# KiCad board hscalla.kicad_pcb (continued)
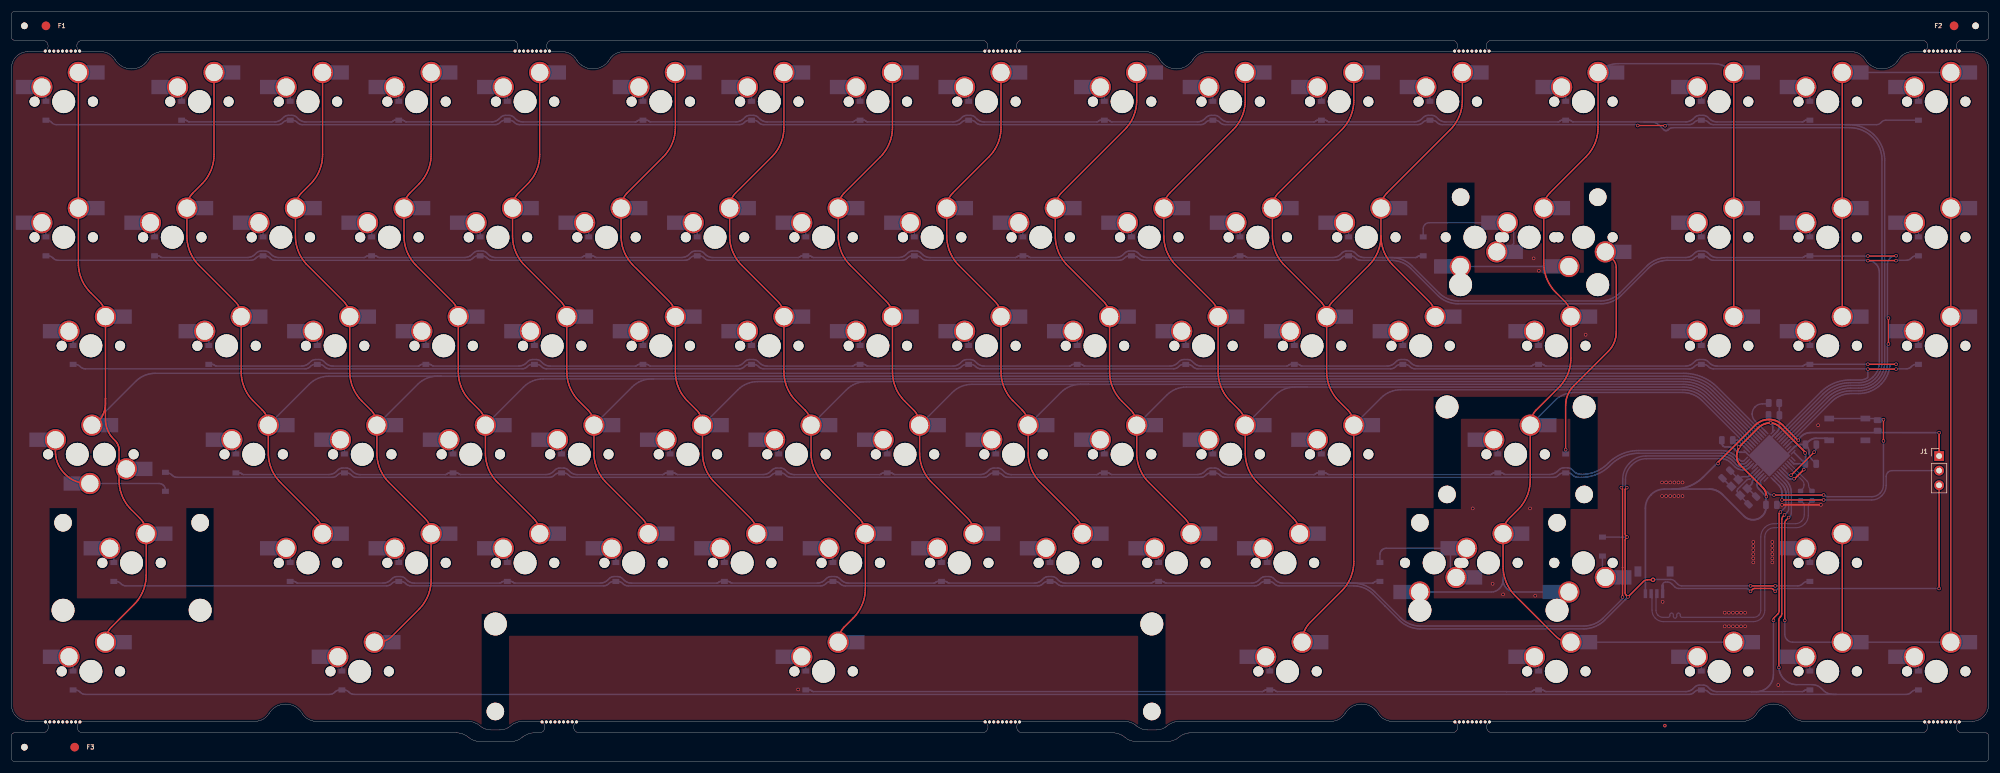
[diagram p0: board, top side]
## Routing (per net, layer and track width the routed paths; a pad name or vN(x,y) marks a point on that pad's centre or on a via; arc(x,y) is an arc through that point) (continued)
row6: length 275.7
  Bottom w0.25: 208.83,50.27 208.59,50.24 208.36,50.17 208.15,50.06 207.97,49.91 207.9,49.84 207.72,49.69 207.51,49.58 207.29,49.51 207.05,49.49 173.5,49.49 173.27,49.51 173.04,49.58 172.83,49.69 172.65,49.84 172.58,49.91 172.4,50.06 172.19,50.17 171.96,50.24 171.73,50.27 ; 209.53,50.27 209.76,50.24 209.99,50.17 210.2,50.06 210.38,49.91 210.45,49.84 210.63,49.69 210.84,49.58 211.07,49.51 211.3,49.49 268.48,49.49 268.71,49.51 268.94,49.58 269.15,49.69 269.33,49.84 269.4,49.91 269.58,50.06 269.79,50.17 270.02,50.24 270.25,50.27 ; 270.95,50.27 271.19,50.24 271.41,50.17 271.62,50.06 271.8,49.91 271.87,49.84 272.05,49.69 272.26,49.58 272.49,49.51 272.73,49.49 273.36,49.49 273.7,49.5 274.05,49.52 274.39,49.57 274.73,49.63 275.06,49.7 275.39,49.79 275.72,49.9 276.04,50.02 276.35,50.16 276.66,50.32 276.96,50.49 277.25,50.67 277.53,50.87 277.8,51.08 278.06,51.3 278.31,51.54 278.41,51.64 278.66,51.88 278.92,52.1 279.19,52.31 279.47,52.51 279.76,52.69 280.06,52.86 280.37,53.02 280.68,53.16 281,53.28 281.33,53.39 281.66,53.48 281.99,53.55 282.33,53.61 282.67,53.66 283.02,53.68 283.36,53.69 297.73,53.69 298.03,53.67 298.34,53.63 298.64,53.55 298.93,53.45 299.21,53.32 299.47,53.16 299.72,52.98 299.95,52.77 300.63,52.08 300.78,51.96 300.95,51.87 301.13,51.82 301.32,51.8 301.38,51.8 301.57,51.82 301.75,51.87 301.91,51.96 302.06,52.08 U1.21 ; 27.06,50.27 27.3,50.24 27.52,50.17 27.73,50.06 27.92,49.91 27.98,49.84 28.17,49.69 28.38,49.58 28.6,49.51 28.84,49.49 55.85,49.49 56.09,49.51 56.31,49.58 56.52,49.69 56.7,49.84 56.77,49.91 56.95,50.06 57.16,50.17 57.39,50.24 57.63,50.27 ; 171.03,50.27 170.79,50.24 170.56,50.17 170.35,50.06 170.17,49.91 170.1,49.84 169.92,49.69 169.71,49.58 169.49,49.51 169.25,49.49 135.7,49.49 135.47,49.51 135.24,49.58 135.03,49.69 134.85,49.84 134.78,49.91 134.6,50.06 134.39,50.17 134.16,50.24 133.93,50.27 ; 133.23,50.27 132.99,50.24 132.76,50.17 132.55,50.06 132.37,49.91 132.3,49.84 132.12,49.69 131.91,49.58 131.69,49.51 131.45,49.49 97.9,49.49 97.67,49.51 97.44,49.58 97.23,49.69 97.05,49.84 96.98,49.91 96.8,50.06 96.59,50.17 96.36,50.24 96.13,50.27 ; 95.43,50.27 95.19,50.24 94.96,50.17 94.75,50.06 94.57,49.91 94.5,49.84 94.32,49.69 94.11,49.58 93.89,49.51 93.65,49.49 60.1,49.49 59.87,49.51 59.64,49.58 59.43,49.69 59.25,49.84 59.18,49.91 59,50.06 58.79,50.17 58.56,50.24 58.33,50.27
row7: length 269.3
  Bottom w0.25: D54.1 39.73,50.27 39.82,50.26 39.91,50.23 39.99,50.18 40.07,50.12 40.07,50.12 40.15,50.06 40.23,50.01 40.32,49.98 40.42,49.97 55.23,49.97 55.42,49.98 55.61,50.01 55.8,50.06 55.97,50.12 56.15,50.2 56.31,50.3 56.46,50.41 56.6,50.54 56.82,50.76 57,50.91 57.21,51.02 57.44,51.09 57.67,51.11 58.28,51.11 58.52,51.09 58.74,51.02 58.95,50.91 59.13,50.76 59.36,50.53 59.5,50.4 59.65,50.29 59.82,50.19 59.99,50.11 60.16,50.05 60.35,50 60.54,49.97 60.73,49.97 75.53,49.97 75.62,49.97 75.71,50 75.79,50.05 75.87,50.11 75.88,50.12 75.96,50.18 76.04,50.23 76.13,50.26 76.23,50.27 D56.1 77.53,50.27 77.62,50.26 77.71,50.23 77.79,50.18 77.87,50.12 77.87,50.12 77.95,50.06 78.03,50.01 78.12,49.98 78.22,49.97 93.03,49.97 93.22,49.98 93.41,50.01 93.6,50.06 93.77,50.12 93.95,50.2 94.11,50.3 94.26,50.41 94.4,50.54 94.62,50.76 94.8,50.91 95.01,51.02 95.24,51.09 95.47,51.11 96.08,51.11 96.32,51.09 96.54,51.02 96.75,50.91 96.93,50.76 97.16,50.53 97.3,50.4 97.45,50.29 97.62,50.19 97.79,50.11 97.96,50.05 98.15,50 98.34,49.97 98.53,49.97 113.33,49.97 113.42,49.97 113.51,50 113.59,50.05 113.67,50.11 113.68,50.12 113.76,50.18 113.84,50.23 113.93,50.26 114.03,50.27 D58.1 115.33,50.27 115.42,50.26 115.51,50.23 115.59,50.18 115.67,50.12 115.67,50.12 115.75,50.06 115.83,50.01 115.92,49.98 116.02,49.97 130.84,49.97 131.02,49.98 131.21,50.01 131.4,50.06 131.57,50.12 131.75,50.2 131.91,50.3 132.06,50.41 132.2,50.54 132.42,50.76 132.6,50.91 132.81,51.02 133.04,51.09 133.27,51.11 133.88,51.11 134.12,51.09 134.34,51.02 134.55,50.91 134.73,50.76 134.96,50.53 135.1,50.4 135.25,50.29 135.42,50.19 135.59,50.11 135.76,50.05 135.95,50 136.14,49.97 136.33,49.97 151.13,49.97 151.22,49.97 151.31,50 151.39,50.05 151.47,50.11 151.48,50.12 151.56,50.18 151.64,50.23 151.73,50.26 151.83,50.27 D60.1 153.13,50.27 153.22,50.26 153.31,50.23 153.39,50.18 153.47,50.12 153.47,50.12 153.55,50.06 153.63,50.01 153.72,49.98 153.82,49.97 168.63,49.97 168.82,49.98 169.01,50.01 169.2,50.06 169.37,50.12 169.55,50.2 169.71,50.3 169.86,50.41 170,50.54 170.22,50.76 170.4,50.91 170.61,51.02 170.84,51.09 171.07,51.11 171.68,51.11 171.92,51.09 172.14,51.02 172.35,50.91 172.53,50.76 172.76,50.53 172.9,50.4 173.05,50.29 173.22,50.19 173.39,50.11 173.56,50.05 173.75,50 173.94,49.97 174.13,49.97 188.93,49.97 189.02,49.97 189.11,50 189.19,50.05 189.27,50.11 189.28,50.12 189.36,50.18 189.44,50.23 189.53,50.26 189.63,50.27 D62.1 190.93,50.27 191.02,50.26 191.11,50.23 191.19,50.18 191.27,50.12 191.27,50.12 191.35,50.06 191.43,50.01 191.52,49.98 191.62,49.97 206.44,49.97 206.62,49.98 206.81,50.01 207,50.06 207.17,50.12 207.35,50.2 207.51,50.3 207.66,50.41 207.8,50.54 208.02,50.76 208.2,50.91 208.41,51.02 208.64,51.09 208.87,51.11 209.48,51.11 209.72,51.09 209.94,51.02 210.15,50.91 210.33,50.76 210.56,50.53 210.7,50.4 210.85,50.29 211.02,50.19 211.19,50.11 211.36,50.05 211.55,50 211.74,49.97 211.93,49.97 226.73,49.97 226.82,49.97 226.91,50 226.99,50.05 227.07,50.11 227.08,50.12 227.16,50.18 227.24,50.23 227.33,50.26 227.43,50.27 D64.1 228.73,50.27 228.82,50.26 228.91,50.23 228.99,50.18 229.07,50.12 229.07,50.12 229.15,50.06 229.23,50.01 229.32,49.98 229.42,49.97 ; 273.36,50 273.68,50.01 274,50.03 274.32,50.07 274.63,50.13 274.95,50.2 275.25,50.28 275.56,50.38 275.86,50.5 276.15,50.63 276.44,50.77 276.71,50.93 276.98,51.1 277.25,51.29 277.5,51.48 277.74,51.69 277.97,51.91 278.03,51.97 278.29,52.22 278.57,52.46 278.86,52.69 279.16,52.9 279.47,53.1 279.79,53.28 280.12,53.44 280.46,53.59 280.8,53.72 281.15,53.84 281.5,53.94 281.86,54.02 282.22,54.08 282.59,54.13 282.95,54.15 283.32,54.16 297.77,54.16 298.11,54.14 298.45,54.09 298.78,54.01 299.1,53.9 299.42,53.75 299.71,53.57 299.99,53.37 300.24,53.14 300.79,52.59 300.95,52.45 301.14,52.35 301.34,52.29 301.61,52.32 ; 273.35,50.01 273.16,50.01 272.97,50.04 272.79,50.09 272.61,50.15 272.44,50.23 272.28,50.33 272.13,50.44 271.98,50.57 271.76,50.8 271.58,50.95 271.37,51.06 271.14,51.13 270.91,51.15 270.3,51.15 270.06,51.13 269.83,51.06 269.63,50.95 269.44,50.8 269.23,50.58 269.09,50.45 268.93,50.34 268.77,50.24 268.6,50.16 268.42,50.1 268.24,50.05 267.83,49.99 ; 267.83,49.98 260.03,49.98 259.94,50.01 259.86,50.06 259.79,50.12 259.78,50.12 259.71,50.18 259.62,50.23 259.53,50.26 259.44,50.27 D65.1 258.14,50.27 258.04,50.26 257.95,50.23 257.87,50.18 257.8,50.12 257.78,50.11 257.71,50.05 257.62,50 257.53,49.97 257.44,49.97 229.4,49.97
row8: length 351.2
  Top w0.25: v2(281.25,47.7) 280.95,47.4 280.95,39.63 arc(280.99,39.44) 281.1,39.28 v2(281.29,39.08) 281.27,39.08 281.1,38.91 arc(280.99,38.75) 280.95,38.56 280.95,29.37 arc(280.99,29.18) 281.1,29.02 v2(281.45,28.66) 284.14,31.35 arc(284.46,31.57) 284.84,31.65 v3(285.81,31.65) ; v2(307.08,30.59) v2(302.79,30.59)
  Bottom w0.25: 218.28,31.37 218.04,31.34 217.81,31.27 217.6,31.16 217.42,31.01 217.35,30.94 217.17,30.79 216.96,30.68 216.74,30.61 216.5,30.59 182.95,30.59 182.72,30.61 182.49,30.68 182.28,30.79 182.1,30.94 182.03,31.01 181.85,31.16 181.64,31.27 181.41,31.34 181.18,31.37 ; 143.38,31.37 143.61,31.34 143.84,31.27 144.05,31.16 144.23,31.01 144.3,30.94 144.48,30.79 144.69,30.68 144.92,30.61 145.15,30.59 178.7,30.59 178.94,30.61 179.16,30.68 179.37,30.79 179.55,30.94 179.62,31.01 179.8,31.16 180.01,31.27 180.24,31.34 180.48,31.37 ; v3(285.81,31.65) 285.87,31.71 288.88,31.71 arc(289.26,31.63) 289.59,31.41 290.11,30.88 arc(290.44,30.67) 290.82,30.59 v2(302.79,30.59) ; 280.86,28.07 281.22,28.44 ; 280.86,28.07 v2(281.45,28.66) ; 280.86,28.07 277.44,24.66 277.25,24.48 277.05,24.31 276.85,24.15 276.63,24 276.41,23.86 276.19,23.73 275.95,23.61 275.72,23.5 275.47,23.41 275.22,23.33 274.97,23.26 274.72,23.2 274.46,23.16 274.2,23.13 273.94,23.11 273.68,23.1 245.35,23.1 245.09,23.11 244.83,23.13 244.57,23.16 244.31,23.2 244.06,23.26 243.81,23.33 243.56,23.41 243.31,23.5 243.08,23.61 242.84,23.73 242.62,23.86 242.4,24 242.18,24.15 241.98,24.31 241.78,24.48 241.59,24.66 239.18,27.07 239.21,27.04 237.07,29.18 236.9,29.34 236.72,29.49 236.53,29.64 236.34,29.78 236.14,29.9 235.93,30.02 235.72,30.13 235.5,30.22 235.28,30.31 235.06,30.38 234.83,30.45 234.6,30.5 234.37,30.54 234.13,30.57 233.89,30.58 233.66,30.59 220.75,30.59 220.52,30.61 220.29,30.68 220.08,30.79 219.9,30.94 219.83,31.01 219.65,31.16 219.44,31.27 219.21,31.34 218.98,31.37 ; D79.1 v2(281.29,39.08) ; v2(281.25,47.7) 281.01,47.94 281.01,49.09 arc(281.28,50.43) 282.04,51.57 282.19,51.72 arc(283.33,52.48) 284.66,52.74 297.65,52.74 297.88,52.73 298.12,52.7 298.35,52.64 298.57,52.56 298.79,52.46 298.99,52.34 299.18,52.2 299.36,52.04 300.03,51.36 300.17,51.24 300.32,51.12 300.48,51.03 300.65,50.95 300.83,50.88 301.02,50.84 301.2,50.81 301.39,50.8 301.49,50.8 301.66,50.81 301.82,50.83 301.98,50.87 302.14,50.93 302.29,51 302.43,51.08 302.56,51.18 302.69,51.29 U1.19 302.81,51.42 ; 104.88,31.37 104.64,31.34 104.41,31.27 104.2,31.16 104.02,31.01 103.95,30.94 103.77,30.79 103.56,30.68 103.34,30.61 103.1,30.59 69.55,30.59 69.32,30.61 69.09,30.68 68.88,30.79 68.7,30.94 68.63,31.01 68.45,31.16 68.24,31.27 68.01,31.34 67.78,31.37 ; 105.58,31.37 105.81,31.34 106.04,31.27 106.25,31.16 106.43,31.01 106.5,30.94 106.68,30.79 106.89,30.68 107.12,30.61 107.35,30.59 140.9,30.59 141.14,30.61 141.36,30.68 141.57,30.79 141.75,30.94 141.82,31.01 142,31.16 142.21,31.27 142.44,31.34 142.68,31.37 ; 312.78,31.37 312.54,31.34 312.31,31.27 312.1,31.16 311.92,31.01 311.85,30.94 311.67,30.79 311.46,30.68 311.24,30.61 311,30.59 v2(307.08,30.59) ; 18.16,31.37 18.4,31.34 18.63,31.27 18.83,31.16 19.02,31.01 19.08,30.94 19.27,30.79 19.48,30.68 19.7,30.61 19.94,30.59 65.3,30.59 65.54,30.61 65.76,30.68 65.97,30.79 66.15,30.94 66.22,31.01 66.4,31.16 66.61,31.27 66.84,31.34 67.08,31.37
row9: length 292.4
  Top w0.25: v2(280.5,28.64) 280.5,33.79 280.5,33.79 280.5,47.5 v2(280.3,47.7)
  Bottom w0.25: D78.1 237.61,31.37 237.52,31.36 237.43,31.33 237.34,31.28 237.27,31.22 237.25,31.21 237.18,31.15 237.1,31.1 237.01,31.07 237,31.07 232.68,31.07 ; 232.68,31.07 221.38,31.07 221.19,31.07 221,31.1 220.81,31.15 220.64,31.21 220.47,31.29 220.3,31.39 220.15,31.5 220.01,31.63 219.78,31.86 219.6,32.01 219.39,32.12 219.17,32.19 218.93,32.21 218.32,32.21 218.09,32.19 217.86,32.12 217.65,32.01 217.47,31.86 217.25,31.64 217.11,31.51 216.96,31.4 216.8,31.3 216.62,31.22 216.45,31.16 216.26,31.11 216.07,31.08 215.88,31.08 201.07,31.08 200.97,31.08 200.88,31.11 200.8,31.16 200.72,31.22 200.72,31.22 200.64,31.28 200.56,31.33 200.47,31.36 200.38,31.37 D76.1 199.08,31.37 198.98,31.36 198.89,31.33 198.81,31.28 198.73,31.22 198.72,31.21 198.64,31.15 198.56,31.1 198.47,31.07 198.38,31.07 183.58,31.07 183.39,31.07 183.2,31.1 183.01,31.15 182.84,31.21 182.67,31.29 182.5,31.39 182.35,31.5 182.21,31.63 181.98,31.86 181.8,32.01 181.59,32.12 181.37,32.19 181.13,32.21 180.52,32.21 180.29,32.19 180.06,32.12 179.85,32.01 179.67,31.86 179.45,31.64 179.31,31.51 179.16,31.4 179,31.3 178.82,31.22 178.65,31.16 178.46,31.11 178.27,31.08 178.09,31.08 163.27,31.08 163.17,31.08 163.08,31.11 163,31.16 162.92,31.22 162.92,31.22 162.84,31.28 162.76,31.33 162.67,31.36 162.58,31.37 D74.1 161.28,31.37 161.18,31.36 161.09,31.33 161.01,31.28 160.93,31.22 160.92,31.21 160.84,31.15 160.76,31.1 160.67,31.07 160.58,31.07 145.78,31.07 145.59,31.07 145.4,31.1 145.21,31.15 145.04,31.21 144.87,31.29 144.7,31.39 144.55,31.5 144.41,31.63 144.18,31.86 144,32.01 143.79,32.12 143.57,32.19 143.33,32.21 142.72,32.21 142.49,32.19 142.26,32.12 142.05,32.01 141.87,31.86 141.65,31.64 141.51,31.51 141.36,31.4 141.2,31.3 141.02,31.22 140.85,31.16 140.66,31.11 140.47,31.08 140.28,31.08 125.47,31.08 125.37,31.08 125.28,31.11 125.2,31.16 125.12,31.22 125.12,31.22 125.04,31.28 124.96,31.33 124.87,31.36 124.78,31.37 D72.1 123.48,31.37 123.38,31.36 123.29,31.33 123.21,31.28 123.13,31.22 123.12,31.21 123.04,31.15 122.96,31.1 122.87,31.07 122.78,31.07 107.98,31.07 107.79,31.07 107.6,31.1 107.41,31.15 107.24,31.21 107.07,31.29 106.9,31.39 106.75,31.5 106.61,31.63 106.38,31.86 106.2,32.01 105.99,32.12 105.77,32.19 105.53,32.21 104.92,32.21 104.69,32.19 104.46,32.12 104.25,32.01 104.07,31.86 103.85,31.64 103.71,31.51 103.56,31.4 103.4,31.3 103.22,31.22 103.05,31.16 102.86,31.11 102.67,31.08 102.48,31.08 87.67,31.08 87.57,31.08 87.48,31.11 87.4,31.16 87.32,31.22 87.32,31.22 87.24,31.28 87.16,31.33 87.07,31.36 86.98,31.37 D70.1 85.68,31.37 85.58,31.36 85.49,31.33 85.41,31.28 85.33,31.22 85.32,31.21 85.24,31.15 85.16,31.1 85.07,31.07 84.98,31.07 70.18,31.07 69.99,31.07 69.8,31.1 69.61,31.15 69.44,31.21 69.27,31.29 69.1,31.39 68.95,31.5 68.81,31.63 68.58,31.86 68.4,32.01 68.19,32.12 67.97,32.19 67.73,32.21 67.12,32.21 66.89,32.19 66.66,32.12 66.45,32.01 66.27,31.86 66.05,31.64 65.91,31.51 65.76,31.4 65.6,31.3 65.42,31.22 65.25,31.16 65.06,31.11 64.87,31.08 64.69,31.08 49.87,31.08 49.77,31.08 49.68,31.11 49.6,31.16 49.52,31.22 49.52,31.22 49.44,31.28 49.36,31.33 49.27,31.36 49.18,31.37 D68.1 ; 232.68,31.07 233.62,31.07 233.88,31.06 234.14,31.04 234.4,31.01 234.65,30.96 234.91,30.91 235.16,30.84 235.41,30.76 235.65,30.66 235.89,30.56 236.12,30.44 236.35,30.31 236.57,30.17 236.78,30.02 236.99,29.86 237.19,29.69 237.37,29.51 241.87,25.01 242.04,24.85 242.22,24.7 242.41,24.55 242.6,24.41 242.8,24.29 243.01,24.17 243.22,24.06 243.44,23.97 243.66,23.88 243.88,23.81 244.11,23.74 244.34,23.69 244.58,23.65 244.81,23.62 245.05,23.61 245.28,23.6 273.75,23.6 273.98,23.61 274.22,23.62 274.45,23.65 274.69,23.69 274.92,23.74 275.15,23.81 275.37,23.88 275.59,23.97 275.81,24.06 276.02,24.17 276.23,24.29 276.43,24.41 276.62,24.55 276.81,24.7 276.99,24.85 277.16,25.01 280.5,28.35 v2(280.5,28.64) ; U1.20 302.36,51.67 302.26,51.59 302.16,51.51 302.05,51.44 301.93,51.39 301.81,51.34 301.68,51.31 301.55,51.29 301.42,51.28 301.27,51.29 301.11,51.31 300.96,51.35 300.82,51.4 300.68,51.47 300.55,51.55 300.42,51.64 300.31,51.74 299.65,52.4 299.55,52.5 299.45,52.59 299.34,52.67 299.23,52.75 299.11,52.82 299,52.89 298.87,52.95 298.75,53.01 298.62,53.05 298.49,53.1 298.36,53.13 298.23,53.16 298.09,53.19 297.96,53.2 297.82,53.21 297.69,53.22 284.55,53.22 arc(283.1,52.93) 281.86,52.1 281.65,51.89 arc(280.83,50.66) 280.54,49.2 280.54,47.94 v2(280.3,47.7)
row10: length 367.4
  Top w0.25: v2(308.71,42.97) 308.44,42.7 arc(308.29,42.47) 308.24,42.2 308.24,25.74 arc(308.18,25.47) 308.03,25.24 307.93,25.14 arc(307.78,24.91) 307.72,24.64 v2(307.72,16.39)
  Bottom w0.25: 57.18,12.47 56.94,12.44 56.71,12.37 56.5,12.26 56.32,12.11 56.25,12.04 56.07,11.89 55.86,11.78 55.64,11.71 55.4,11.69 12.85,11.69 12.62,11.71 12.39,11.78 12.18,11.89 12,12.04 11.93,12.11 11.75,12.26 11.54,12.37 11.31,12.44 11.08,12.47 ; 317.68,11.69 296.35,11.69 296.12,11.71 295.89,11.78 295.68,11.89 295.5,12.04 295.43,12.11 295.25,12.26 295.04,12.37 294.81,12.44 294.58,12.47 ; 317.68,11.69 329.9,11.69 330.14,11.71 330.36,11.78 330.57,11.89 330.75,12.04 330.82,12.11 331,12.26 331.21,12.37 331.44,12.44 331.68,12.47 ; 317.68,11.69 317.16,11.69 316.93,11.7 316.69,11.74 316.46,11.79 316.24,11.87 316.03,11.98 315.82,12.1 315.63,12.24 315.46,12.4 315.17,12.68 315,12.84 314.81,12.98 314.6,13.1 314.39,13.2 314.17,13.28 313.94,13.34 313.7,13.38 313.47,13.39 310.87,13.39 310.72,13.39 310.57,13.4 310.41,13.42 310.26,13.45 310.11,13.48 309.96,13.52 309.82,13.57 309.67,13.63 309.53,13.69 309.39,13.76 309.26,13.84 309.13,13.92 309,14.01 308.88,14.1 308.77,14.2 308.65,14.31 308.64,14.32 308.53,14.43 308.43,14.55 308.34,14.67 308.25,14.8 308.17,14.93 308.09,15.06 308.02,15.2 307.96,15.34 307.9,15.49 307.86,15.63 307.81,15.78 307.78,15.93 307.75,16.08 307.74,16.24 v2(307.72,16.39) ; 57.88,12.47 58.11,12.44 58.34,12.37 58.55,12.26 58.73,12.11 58.8,12.04 58.98,11.89 59.19,11.78 59.42,11.71 59.65,11.69 292.1,11.69 292.34,11.71 292.56,11.78 292.77,11.89 292.95,12.04 293.02,12.11 293.2,12.26 293.41,12.37 293.64,12.44 293.88,12.47 ; v2(308.71,42.97) 309.22,43.47 arc(309.37,43.7) 309.42,43.96 309.42,46.66 309.42,46.8 309.41,46.93 309.39,47.07 309.37,47.2 309.34,47.34 309.3,47.47 309.26,47.6 309.21,47.72 309.15,47.85 309.09,47.97 309.03,48.09 308.95,48.2 308.87,48.31 308.79,48.42 308.7,48.52 308.61,48.62 U1.9
row11: length 217.4
  Top w0.25: v2(308,43.44) 307.76,43.2 307.76,26.21 arc(307.71,25.94) 307.56,25.71 306.78,24.93 v2(306.78,24.58)
  Bottom w0.25: v2(308,43.44) 308.74,44.18 arc(308.9,44.41) 308.95,44.68 308.95,46.56 arc(308.95,46.58) 308.95,46.59 308.95,46.67 arc(308.95,46.69) 308.94,46.72 308.94,46.79 arc(308.94,46.81) 308.93,46.84 308.93,46.91 arc(308.92,46.93) 308.92,46.95 308.91,47.02 arc(308.9,47.05) 308.9,47.07 308.88,47.14 arc(308.88,47.16) 308.87,47.19 308.85,47.25 arc(308.84,47.28) 308.84,47.3 308.82,47.37 arc(308.81,47.39) 308.8,47.41 308.77,47.48 arc(308.76,47.5) 308.75,47.52 308.73,47.59 arc(308.72,47.61) 308.71,47.63 308.67,47.69 arc(308.66,47.71) 308.65,47.74 308.62,47.8 arc(308.6,47.82) 308.59,47.84 308.55,47.9 arc(308.54,47.92) 308.53,47.94 308.49,47.99 arc(308.47,48.01) 308.46,48.03 308.42,48.09 arc(308.4,48.11) 308.38,48.13 308.34,48.18 arc(308.32,48.2) 308.31,48.21 308.25,48.27 arc(308.24,48.28) 308.23,48.29 U1.10 ; 302.93,12.17 308.41,12.17 308.42,12.17 311.79,12.17 311.88,12.18 311.97,12.21 312.05,12.26 312.13,12.32 312.13,12.32 312.21,12.38 312.29,12.43 312.38,12.46 312.48,12.47 D89.1 ; 302.93,12.17 296.98,12.17 296.79,12.17 296.6,12.2 296.41,12.25 296.24,12.31 296.07,12.39 295.9,12.49 295.75,12.6 295.61,12.73 295.38,12.96 295.2,13.11 294.99,13.22 294.77,13.29 294.53,13.31 293.92,13.31 293.69,13.29 293.46,13.22 293.25,13.11 293.07,12.96 292.85,12.74 292.71,12.61 292.56,12.5 292.4,12.4 292.22,12.32 292.05,12.26 291.86,12.21 291.67,12.18 291.49,12.17 267.22,12.17 267.12,12.18 267.03,12.21 266.95,12.26 266.87,12.32 266.87,12.32 266.79,12.38 266.71,12.43 266.62,12.46 266.53,12.47 D87.1 265.23,12.47 265.13,12.46 265.04,12.43 264.96,12.38 264.88,12.32 264.87,12.31 264.79,12.25 264.71,12.2 264.62,12.17 264.53,12.17 260.32,12.17 260.31,12.17 220.42,12.17 220.32,12.18 220.23,12.21 220.15,12.26 220.07,12.32 220.07,12.32 219.99,12.38 219.91,12.43 219.82,12.46 219.73,12.47 D85.1 218.43,12.47 218.33,12.46 218.24,12.43 218.16,12.38 218.08,12.32 218.08,12.32 218,12.26 217.92,12.21 217.83,12.18 217.73,12.17 139.64,12.17 139.55,12.18 139.46,12.21 139.37,12.26 139.3,12.32 139.29,12.32 139.22,12.38 139.14,12.43 139.04,12.46 138.95,12.47 D84.1 ; 302.93,12.17 303.81,12.17 303.95,12.17 304.09,12.18 304.23,12.2 304.37,12.22 304.51,12.25 304.65,12.29 304.79,12.33 304.92,12.39 305.05,12.44 305.18,12.51 305.3,12.58 305.42,12.65 305.54,12.74 305.65,12.82 305.76,12.92 305.86,13.01 305.93,13.08 306.02,13.19 306.12,13.29 306.2,13.41 306.29,13.52 306.36,13.64 306.43,13.77 306.5,13.89 306.55,14.02 306.61,14.15 306.65,14.29 306.69,14.43 306.72,14.57 306.74,14.71 306.76,14.85 306.77,14.99 306.78,15.13 v2(306.78,24.58)
XTAL1: length 5.7
  Bottom w0.25: 300.67,49.1 301.01,49.45 arc(301.18,49.56) 301.37,49.6 302.2,49.6 arc(302.39,49.64) 302.55,49.75 U1.17 ; 300.67,49.23 299.26,50.63
XTAL2: length 8.1
  Bottom w0.25: 301.02,46.35 300.6,46.77 arc(300.49,46.93) 300.45,47.12 300.45,47.13 arc(300.49,47.32) 300.6,47.48 302.19,49.08 arc(302.27,49.13) 302.37,49.15 302.56,49.15 arc(302.66,49.17) 302.74,49.22 U1.16 ; 301.02,46.22 302.42,44.82
Net-(C3-Pad1): length 8.5
  Top w0.25: 309.8,49.81 v2(313.86,53.88)
  Bottom w0.25: U1.6 309.49,49.87 v2(309.83,49.87) ; v2(313.86,53.88) 313.88,53.89 313.98,54.01 314.07,54.14 314.14,54.29 314.19,54.44 314.22,54.59 314.23,54.75
Net-(D2-Pad2): length 1.8
  Bottom w0.25: D2.2 6,116.75
Net-(D3-Pad2): length 1.8
  Bottom w0.25: D3.2 29.63,116.75
Net-(D4-Pad2): length 1.8
  Bottom w0.25: D4.2 48.53,116.75
Net-(D5-Pad2): length 1.8
  Bottom w0.25: D5.2 67.43,116.75
Net-(D6-Pad2): length 1.8
  Bottom w0.25: D6.2 86.33,116.75
Net-(D7-Pad2): length 1.8
  Bottom w0.25: D7.2 109.95,116.75
Net-(D8-Pad2): length 1.8
  Bottom w0.25: D8.2 128.85,116.75
Net-(D9-Pad2): length 1.8
  Bottom w0.25: D9.2 147.75,116.75
Net-(D10-Pad2): length 1.8
  Bottom w0.25: D10.2 166.65,116.75
Net-(D11-Pad2): length 1.8
  Bottom w0.25: D11.2 190.28,116.75
Net-(D12-Pad2): length 1.8
  Bottom w0.25: D12.2 209.18,116.75
Net-(D13-Pad2): length 1.8
  Bottom w0.25: D13.2 228.08,116.75
Net-(D14-Pad2): length 1.8
  Bottom w0.25: D14.2 246.98,116.75
Net-(D15-Pad2): length 1.8
  Bottom w0.25: D15.2 270.6,116.75
Net-(D16-Pad2): length 1.8
  Bottom w0.25: D16.2 294.23,116.75
Net-(D17-Pad2): length 1.8
  Bottom w0.25: D17.2 313.13,116.75
Net-(D18-Pad2): length 1.8
  Bottom w0.25: D18.2 332.03,116.75
Net-(D19-Pad2): length 1.8
  Bottom w0.25: D19.2 6,93.13
Net-(D20-Pad2): length 1.8
  Bottom w0.25: D20.2 24.9,93.13
Net-(D21-Pad2): length 1.8
  Bottom w0.25: D21.2 43.8,93.13
Net-(D22-Pad2): length 1.8
  Bottom w0.25: D22.2 62.7,93.13
Net-(D23-Pad2): length 1.8
  Bottom w0.25: D23.2 81.6,93.13
Net-(D24-Pad2): length 1.8
  Bottom w0.25: D24.2 100.5,93.13
Net-(D25-Pad2): length 1.8
  Bottom w0.25: D25.2 119.4,93.13
Net-(D26-Pad2): length 1.8
  Bottom w0.25: D26.2 138.3,93.13
Net-(D27-Pad2): length 1.8
  Bottom w0.25: D27.2 157.2,93.13
